# Altium PCB PokeyMain.PcbDoc (part 1 of 3)
Units mm, origin at the board's own origin, x right, y up, seen from the top; angles counter-clockwise.
Board outline 172.97 x 119.13 mm, 2 copper layers (Top Layer, Bottom Layer); 249 components, 225 nets, 876 pads, 516 vias.
Unrouted connection lines stored in the file: 64.
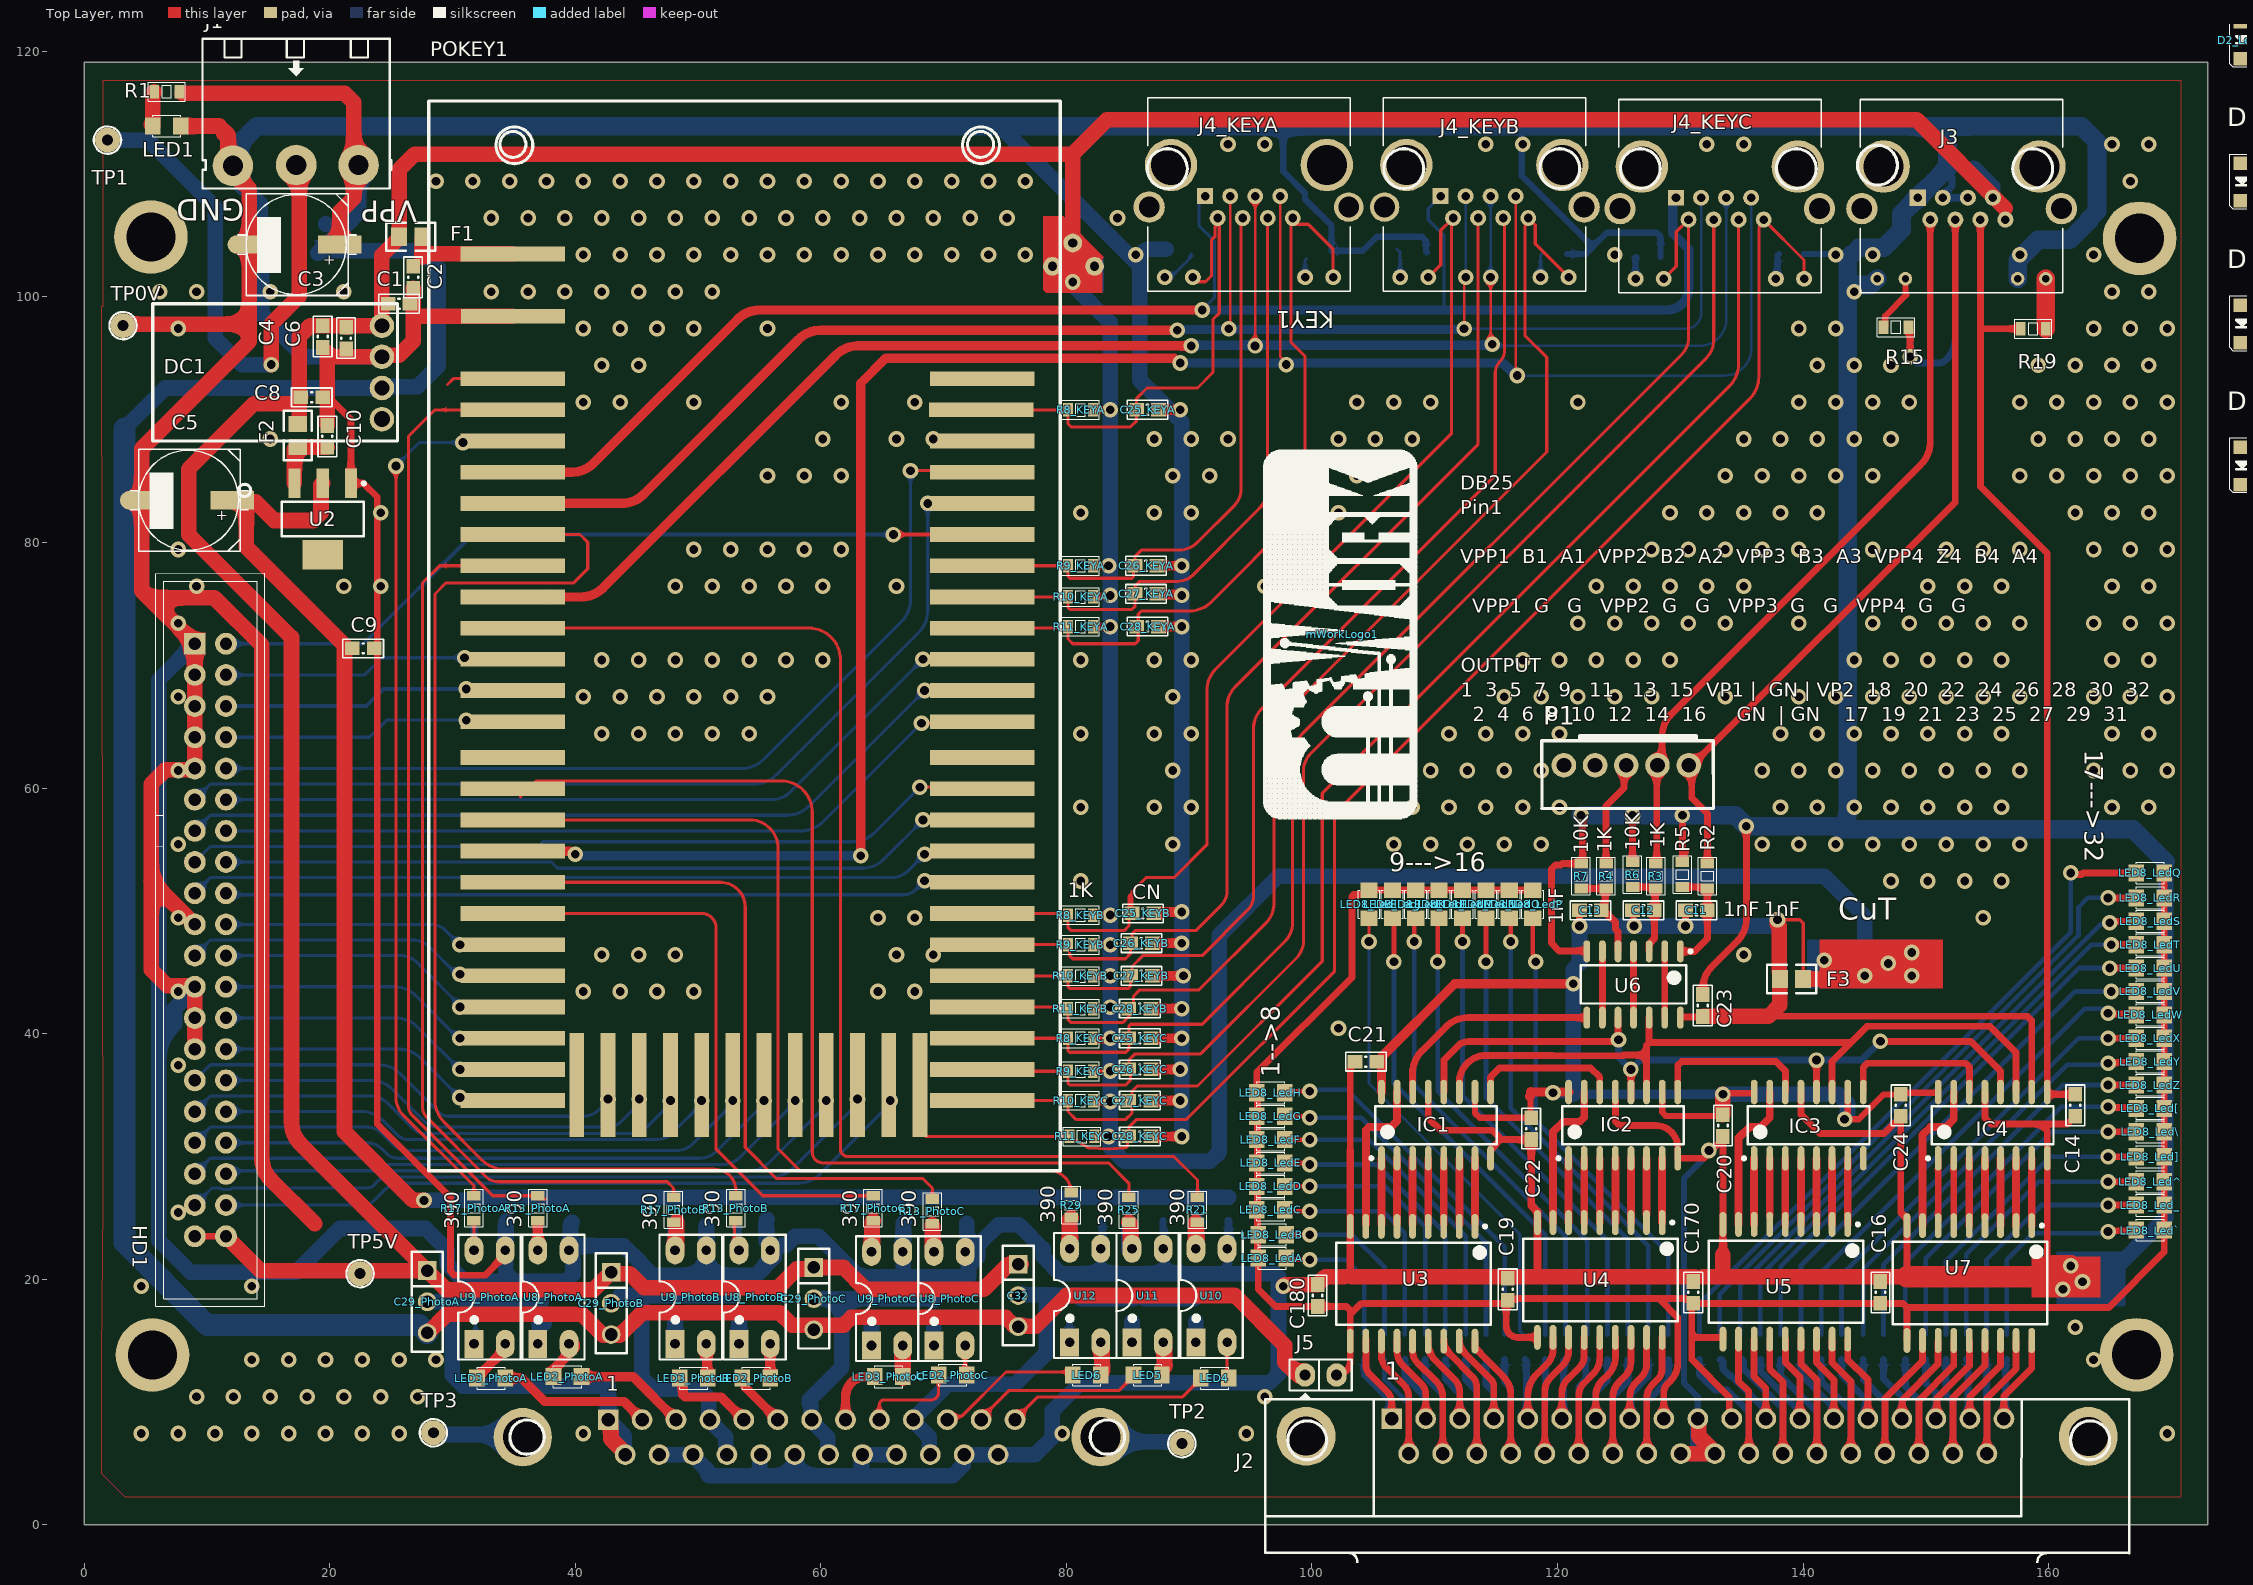
[diagram p0: Top Layer view]
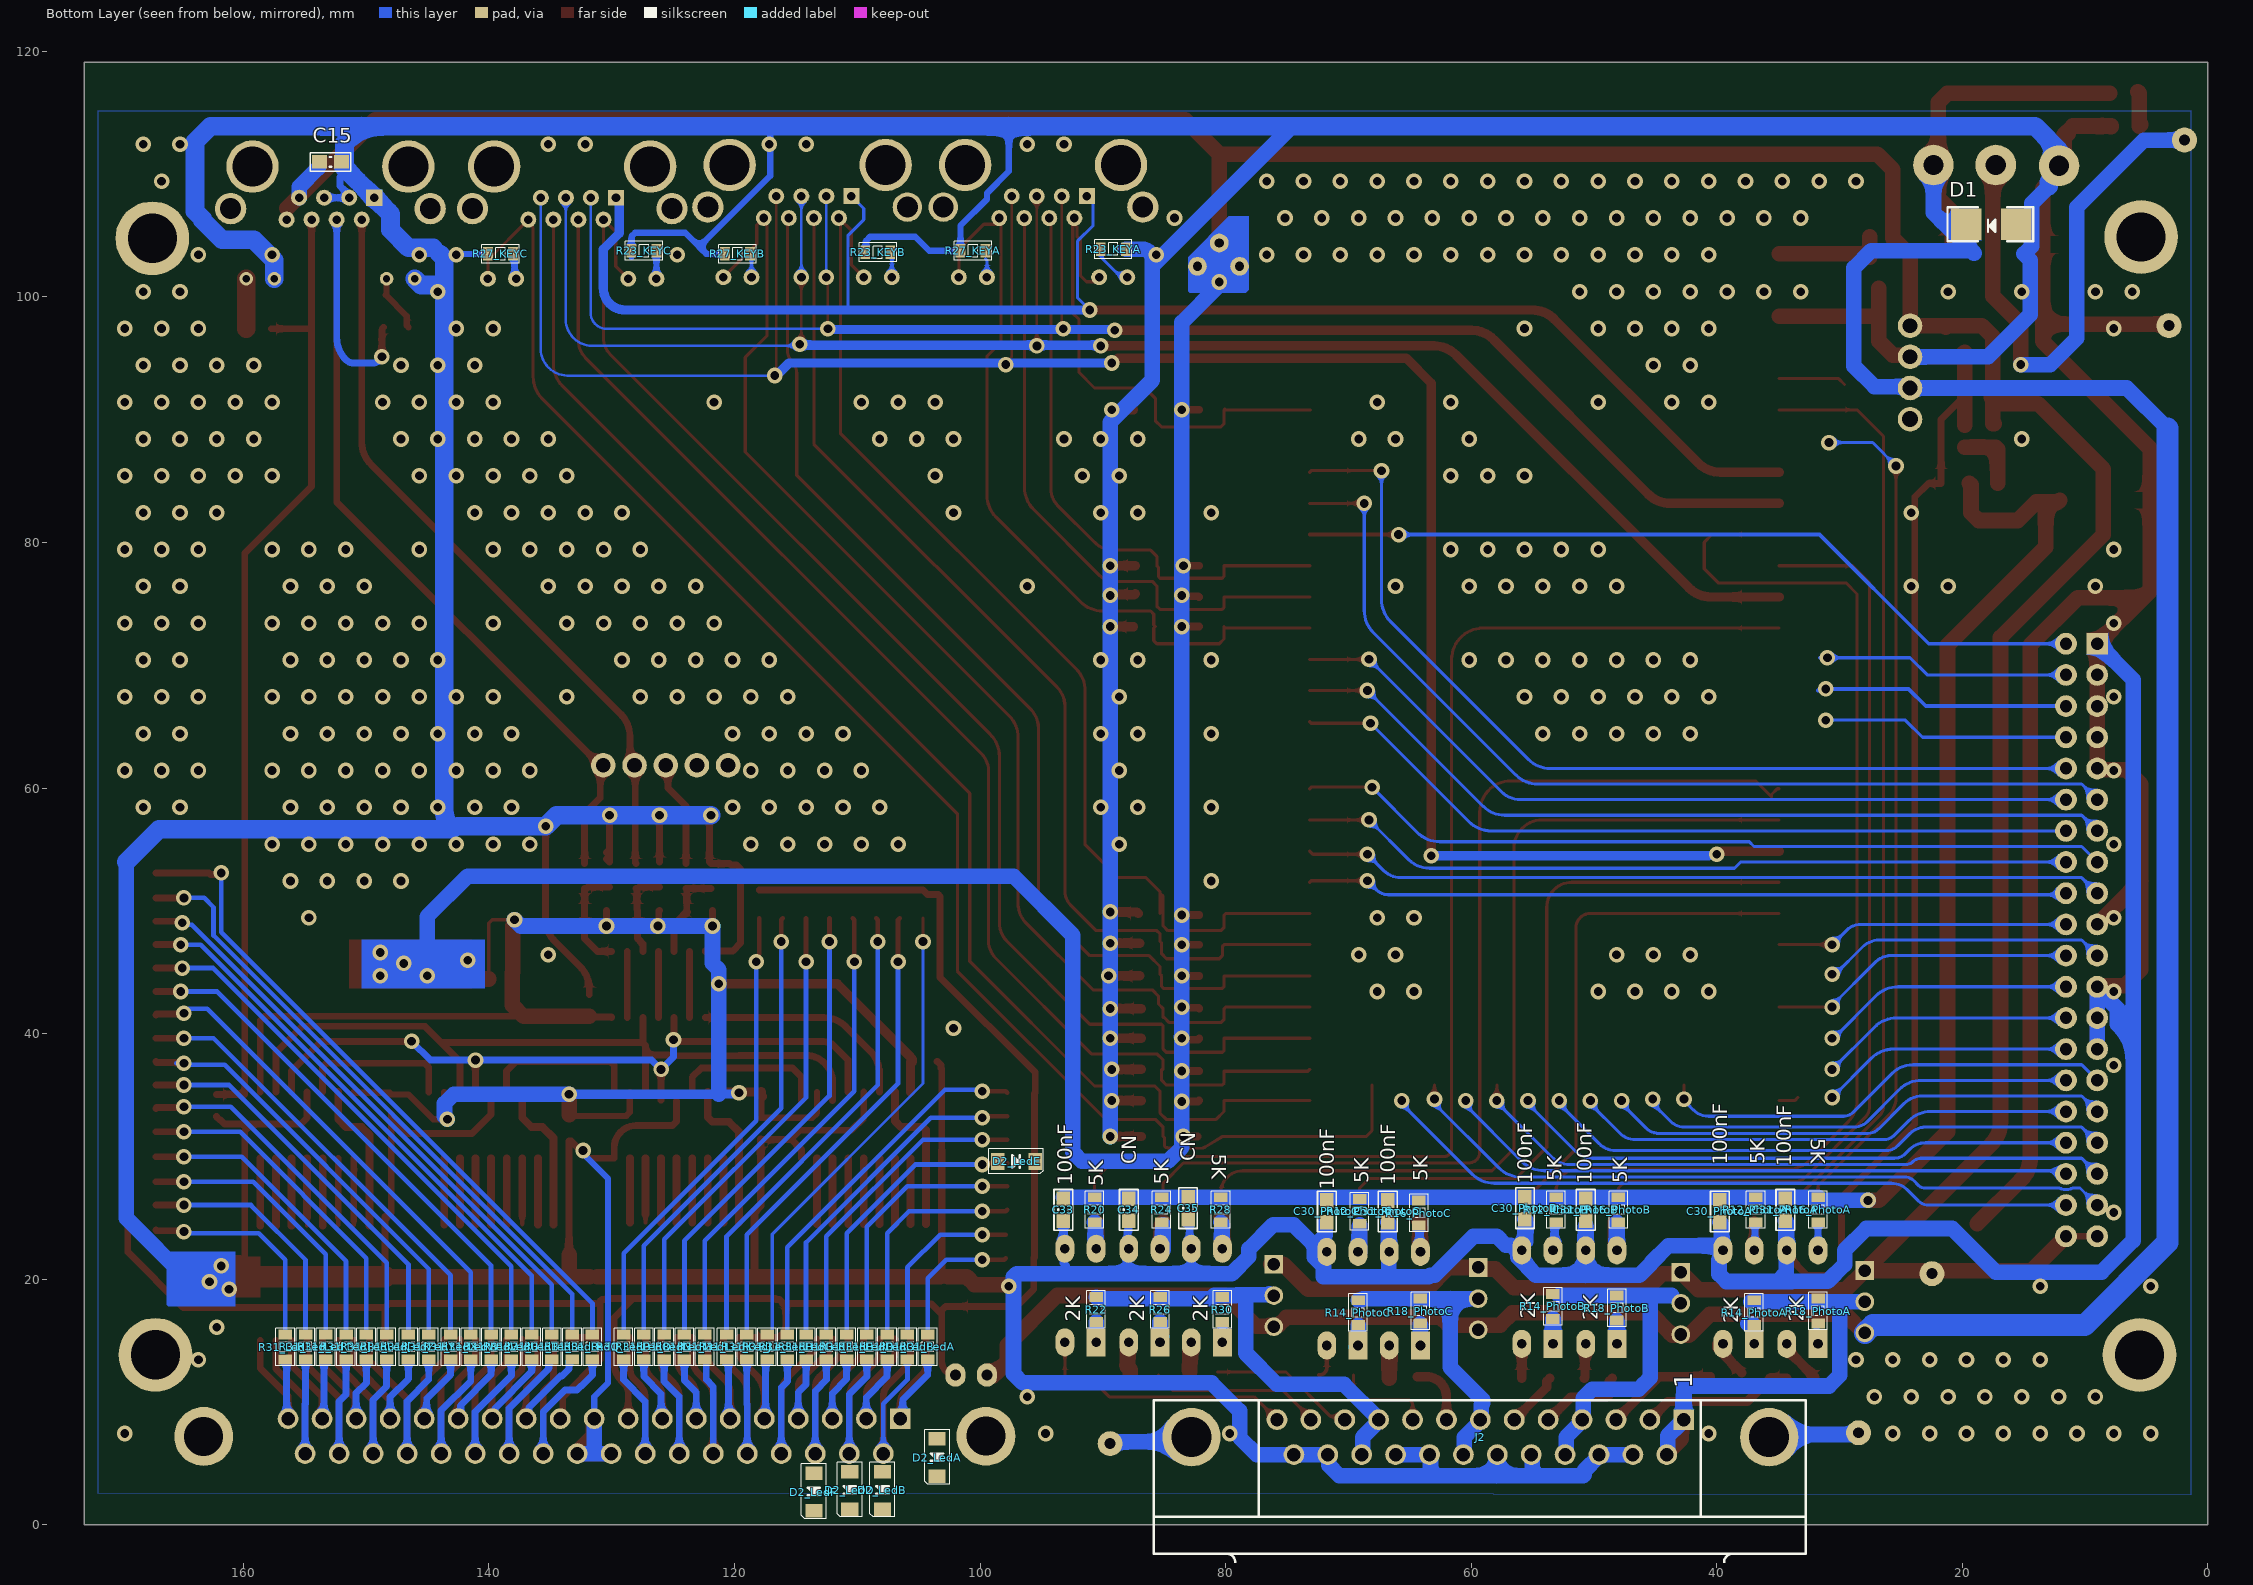
[diagram p1: Bottom Layer view, seen from below]

## Layer stack, top to bottom
Top Solder: solder mask 0.0102, Solder Resist, Dk 3.5
Top Layer: signal copper 0.0356
Dielectric 1: dielectric 0.32, FR-4, Dk 4.8
Bottom Layer: signal copper 0.0356
Bottom Solder: solder mask 0.0102, Solder Resist, Dk 3.5

## Board outline
0,0 172.974,0 172.974,119.126 0,119.126

## Design rules (kind name [scope] priority, off if disabled: settings)
Clearance PolygonBoit [InNamedPolygon('NONET_L02_P001') + InNamedPolygon('NONET_L01_P000')] p1: gap=0.762 ignorepadtopadclearanceinfootprint=FALSE
Clearance [All] p2: gap=0.254 ignorepadtopadclearanceinfootprint=FALSE except(0: Arc-Hole Track-Hole SMDPad-Hole THPad-Hole Via-Hole Fill-Hole Poly-Hole Region-Hole Text-Hole)
PolygonConnect [All vs IsNamedPolygon('NONET_L01_P000')    + IsNamedPolygon('NONET_L02_P001')] p1: thpad.connectstyle=Relief thpad.reliefconductorwidth=0.508 thpad.reliefentries=4 thpad.polygonreliefangle="90 Angle" thpad.airgapwidth=0.508 smdpad.connectstyle=Relief smdpad.reliefconductorwidth=0.508 smdpad.reliefentries=4 smdpad.polygonreliefangle="90 Angle" smdpad.airgapwidth=0.508 via.connectstyle=Direct via.reliefconductorwidth=0.254 via.reliefentries=4 via.polygonreliefangle="90 Angle" via.airgapwidth=0.254
PolygonConnect PolygonConnect_1 [All vs InNamedPolygon('NONET_L02_P001') + InNamedPolygon('NONET_L01_P000')] p2: thpad.connectstyle=Relief thpad.reliefconductorwidth=0.635 thpad.reliefentries=4 thpad.polygonreliefangle="90 Angle" thpad.airgapwidth=0.508 smdpad.connectstyle=Relief smdpad.reliefconductorwidth=0.635 smdpad.reliefentries=4 smdpad.polygonreliefangle="90 Angle" smdpad.airgapwidth=0.762 via.connectstyle=Direct via.reliefconductorwidth=0.254 via.reliefentries=4 via.polygonreliefangle="90 Angle" via.airgapwidth=0.254
RoomDefinition PhotoC [InComponentClass('PhotoC')] p1: confinementstyle=ConfineIn formatcopy=TRUE lockcomponents=FALSE outline -5.207,-83.058 45.593,-83.058 45.593,-57.658 -5.207,-57.658
RoomDefinition PhotoB [InComponentClass('PhotoB')] p2: confinementstyle=ConfineIn formatcopy=TRUE lockcomponents=FALSE outline -5.207,-83.058 45.593,-83.058 45.593,-57.658 -5.207,-57.658
RoomDefinition PhotoA [InComponentClass('PhotoA')] p3: confinementstyle=ConfineIn formatcopy=TRUE lockcomponents=FALSE outline -5.207,-83.058 45.593,-83.058 45.593,-57.658 -5.207,-57.658
RoomDefinition LedZ [InComponentClass('LedZ')] p4: confinementstyle=ConfineIn formatcopy=TRUE lockcomponents=FALSE outline -5.207,-83.058 45.593,-83.058 45.593,-57.658 -5.207,-57.658
RoomDefinition LedY [InComponentClass('LedY')] p5: confinementstyle=ConfineIn formatcopy=TRUE lockcomponents=FALSE outline -5.207,-83.058 45.593,-83.058 45.593,-57.658 -5.207,-57.658
RoomDefinition LedX [InComponentClass('LedX')] p6: confinementstyle=ConfineIn formatcopy=TRUE lockcomponents=FALSE outline -5.207,-83.058 45.593,-83.058 45.593,-57.658 -5.207,-57.658
RoomDefinition LedW [InComponentClass('LedW')] p7: confinementstyle=ConfineIn formatcopy=TRUE lockcomponents=FALSE outline -5.207,-83.058 45.593,-83.058 45.593,-57.658 -5.207,-57.658
RoomDefinition LedV [InComponentClass('LedV')] p8: confinementstyle=ConfineIn formatcopy=TRUE lockcomponents=FALSE outline -5.207,-83.058 45.593,-83.058 45.593,-57.658 -5.207,-57.658
RoomDefinition LedU [InComponentClass('LedU')] p9: confinementstyle=ConfineIn formatcopy=TRUE lockcomponents=FALSE outline -5.207,-83.058 45.593,-83.058 45.593,-57.658 -5.207,-57.658
RoomDefinition LedT [InComponentClass('LedT')] p10: confinementstyle=ConfineIn formatcopy=TRUE lockcomponents=FALSE outline -5.207,-83.058 45.593,-83.058 45.593,-57.658 -5.207,-57.658
RoomDefinition LedR [InComponentClass('LedR')] p11: confinementstyle=ConfineIn formatcopy=TRUE lockcomponents=FALSE outline -5.207,-83.058 45.593,-83.058 45.593,-57.658 -5.207,-57.658
RoomDefinition LedQ [InComponentClass('LedQ')] p12: confinementstyle=ConfineIn formatcopy=TRUE lockcomponents=FALSE outline -5.207,-83.058 45.593,-83.058 45.593,-57.658 -5.207,-57.658
RoomDefinition LedP [InComponentClass('LedP')] p13: confinementstyle=ConfineIn formatcopy=TRUE lockcomponents=FALSE outline -5.207,-83.058 45.593,-83.058 45.593,-57.658 -5.207,-57.658
RoomDefinition LedO [InComponentClass('LedO')] p14: confinementstyle=ConfineIn formatcopy=TRUE lockcomponents=FALSE outline -5.207,-83.058 45.593,-83.058 45.593,-57.658 -5.207,-57.658
RoomDefinition LedN [InComponentClass('LedN')] p15: confinementstyle=ConfineIn formatcopy=TRUE lockcomponents=FALSE outline -5.207,-83.058 45.593,-83.058 45.593,-57.658 -5.207,-57.658
RoomDefinition LedM [InComponentClass('LedM')] p16: confinementstyle=ConfineIn formatcopy=TRUE lockcomponents=FALSE outline -5.207,-83.058 45.593,-83.058 45.593,-57.658 -5.207,-57.658
RoomDefinition LedL [InComponentClass('LedL')] p17: confinementstyle=ConfineIn formatcopy=TRUE lockcomponents=FALSE outline -5.207,-83.058 45.593,-83.058 45.593,-57.658 -5.207,-57.658
RoomDefinition LedK [InComponentClass('LedK')] p18: confinementstyle=ConfineIn formatcopy=TRUE lockcomponents=FALSE outline -5.207,-83.058 45.593,-83.058 45.593,-57.658 -5.207,-57.658
RoomDefinition LedJ [InComponentClass('LedJ')] p19: confinementstyle=ConfineIn formatcopy=TRUE lockcomponents=FALSE outline -5.207,-83.058 45.593,-83.058 45.593,-57.658 -5.207,-57.658
RoomDefinition LedI [InComponentClass('LedI')] p20: confinementstyle=ConfineIn formatcopy=TRUE lockcomponents=FALSE outline -5.207,-83.058 45.593,-83.058 45.593,-57.658 -5.207,-57.658
RoomDefinition LedH [InComponentClass('LedH')] p21: confinementstyle=ConfineIn formatcopy=TRUE lockcomponents=FALSE outline -5.207,-83.058 45.593,-83.058 45.593,-57.658 -5.207,-57.658
RoomDefinition LedG [InComponentClass('LedG')] p22: confinementstyle=ConfineIn formatcopy=TRUE lockcomponents=FALSE outline -5.207,-83.058 45.593,-83.058 45.593,-57.658 -5.207,-57.658
RoomDefinition LedF [InComponentClass('LedF')] p23: confinementstyle=ConfineIn formatcopy=TRUE lockcomponents=FALSE outline -5.207,-83.058 45.593,-83.058 45.593,-57.658 -5.207,-57.658
RoomDefinition LedE [InComponentClass('LedE')] p24: confinementstyle=ConfineIn formatcopy=TRUE lockcomponents=FALSE outline -5.207,-83.058 45.593,-83.058 45.593,-57.658 -5.207,-57.658
RoomDefinition LedD [InComponentClass('LedD')] p25: confinementstyle=ConfineIn formatcopy=TRUE lockcomponents=FALSE outline -5.207,-83.058 45.593,-83.058 45.593,-57.658 -5.207,-57.658
RoomDefinition LedC [InComponentClass('LedC')] p26: confinementstyle=ConfineIn formatcopy=TRUE lockcomponents=FALSE outline -5.207,-83.058 45.593,-83.058 45.593,-57.658 -5.207,-57.658
RoomDefinition LedB [InComponentClass('LedB')] p27: confinementstyle=ConfineIn formatcopy=TRUE lockcomponents=FALSE outline -5.207,-83.058 45.593,-83.058 45.593,-57.658 -5.207,-57.658
RoomDefinition LedA [InComponentClass('LedA')] p28: confinementstyle=ConfineIn formatcopy=TRUE lockcomponents=FALSE outline -5.207,-83.058 45.593,-83.058 45.593,-57.658 -5.207,-57.658
RoomDefinition Led` [InComponentClass('Led`')] p29: confinementstyle=ConfineIn formatcopy=TRUE lockcomponents=FALSE outline -5.207,-83.058 45.593,-83.058 45.593,-57.658 -5.207,-57.658
RoomDefinition Led_ [InComponentClass('Led_')] p30: confinementstyle=ConfineIn formatcopy=TRUE lockcomponents=FALSE outline -5.207,-83.058 45.593,-83.058 45.593,-57.658 -5.207,-57.658
RoomDefinition Led^ [InComponentClass('Led^')] p31: confinementstyle=ConfineIn formatcopy=TRUE lockcomponents=FALSE outline -5.207,-83.058 45.593,-83.058 45.593,-57.658 -5.207,-57.658
RoomDefinition Led] [InComponentClass('Led]')] p32: confinementstyle=ConfineIn formatcopy=TRUE lockcomponents=FALSE outline -5.207,-83.058 45.593,-83.058 45.593,-57.658 -5.207,-57.658
RoomDefinition Led\ [InComponentClass('Led\')] p33: confinementstyle=ConfineIn formatcopy=TRUE lockcomponents=FALSE outline -5.207,-83.058 45.593,-83.058 45.593,-57.658 -5.207,-57.658
RoomDefinition Led[ [InComponentClass('Led[')] p34: confinementstyle=ConfineIn formatcopy=TRUE lockcomponents=FALSE outline -5.207,-83.058 45.593,-83.058 45.593,-57.658 -5.207,-57.658
RoomDefinition KEYC [InComponentClass('KEYC')] p35: confinementstyle=ConfineIn formatcopy=TRUE lockcomponents=FALSE outline -5.207,-83.058 45.593,-83.058 45.593,-57.658 -5.207,-57.658
RoomDefinition KEYB [InComponentClass('KEYB')] p36: confinementstyle=ConfineIn formatcopy=TRUE lockcomponents=FALSE outline -5.207,-83.058 45.593,-83.058 45.593,-57.658 -5.207,-57.658
RoomDefinition KEYA [InComponentClass('KEYA')] p37: confinementstyle=ConfineIn formatcopy=TRUE lockcomponents=FALSE outline -5.207,-83.058 45.593,-83.058 45.593,-57.658 -5.207,-57.658
RoomDefinition LedS [InComponentClass('LedS')] p38: confinementstyle=ConfineIn formatcopy=TRUE lockcomponents=FALSE outline 174.117,196.596 189.738,196.596 189.738,203.454 174.117,203.454
RoomDefinition Photo [InComponentClass('Photo')] p39: confinementstyle=ConfineIn formatcopy=TRUE lockcomponents=FALSE outline 230.251,-42.291 364.49,-42.291 364.49,-29.083 230.251,-29.083
RoomDefinition ENC [InComponentClass('ENC')] p40: confinementstyle=ConfineIn formatcopy=TRUE lockcomponents=FALSE outline 297.053,-1.27 323.596,-1.27 323.596,55.118 297.053,55.118
RoomDefinition ProExtBus [InComponentClass('ProExtBus')] p41: confinementstyle=ConfineIn formatcopy=TRUE lockcomponents=FALSE outline 231.521,36.703 407.797,36.703 407.797,110.236 231.521,110.236
RoomDefinition KEY4 [InComponentClass('KEY4')] p42: confinementstyle=ConfineIn formatcopy=TRUE lockcomponents=FALSE outline 143.566,100.203 159.822,100.203 159.822,115.062 143.566,115.062
RoomDefinition Power [InComponentClass('Power')] p43: confinementstyle=ConfineIn formatcopy=TRUE lockcomponents=FALSE outline 304.038,45.085 433.705,45.085 433.705,72.009 304.038,72.009
RoomDefinition Main [InComponentClass('Main')] p44: confinementstyle=ConfineIn formatcopy=TRUE lockcomponents=FALSE outline 317.246,-9.652 396.24,-9.652 396.24,83.312 317.246,83.312
RoutingVias [All] p1: holewidth=0.711 width=1.27 viastyle="Through Hole" minholewidth=0.711 minwidth=1.27 maxholewidth=0.711 maxwidth=1.27
SolderMaskExpansion [All] p1: expansion=0.102 istentingtop=FALSE
Width [All] p1: maxlimit=2.54 minlimit=0.203 preferedwidth=1.27
30 further rules are at their usual default settings.

## Classes and differential pairs
component class LedZ: D2_LedZ LED8_LedZ R31_LedZ
component class LedY: D2_LedY LED8_LedY R31_LedY
component class LedX: D2_LedX LED8_LedX R31_LedX
component class LedW: D2_LedW LED8_LedW R31_LedW
component class LedV: D2_LedV LED8_LedV R31_LedV
component class LedU: D2_LedU LED8_LedU R31_LedU
component class LedT: D2_LedT LED8_LedT R31_LedT
component class LedS: D2_LedS LED8_LedS R31_LedS
component class LedR: D2_LedR LED8_LedR R31_LedR
component class LedQ: D2_LedQ LED8_LedQ R31_LedQ
component class LedP: D2_LedP LED8_LedP R31_LedP
component class LedO: D2_LedO LED8_LedO R31_LedO
component class LedN: D2_LedN LED8_LedN R31_LedN
component class LedM: D2_LedM LED8_LedM R31_LedM
component class LedL: D2_LedL LED8_LedL R31_LedL
component class LedK: D2_LedK LED8_LedK R31_LedK
component class LedJ: D2_LedJ LED8_LedJ R31_LedJ
component class LedI: D2_LedI LED8_LedI R31_LedI
component class LedH: D2_LedH LED8_LedH R31_LedH
component class LedG: D2_LedG LED8_LedG R31_LedG
component class LedF: D2_LedF LED8_LedF R31_LedF
component class LedE: D2_LedE LED8_LedE R31_LedE
component class LedD: D2_LedD LED8_LedD R31_LedD
component class LedC: D2_LedC LED8_LedC R31_LedC
component class LedB: D2_LedB LED8_LedB R31_LedB
component class LedA: D2_LedA LED8_LedA R31_LedA
component class Led`: D2_Led` LED8_Led` R31_Led`
component class Led_: D2_Led_ LED8_Led_ R31_Led_
component class Led^: D2_Led^ LED8_Led^ R31_Led^
component class Led]: D2_Led] LED8_Led] R31_Led]
component class Led\: D2_Led\ LED8_Led\ R31_Led\
component class Led[: D2_Led[ LED8_Led[ R31_Led[
channel class Led: Led1 Led2 Led3 Led4 Led5 Led6 Led7 Led8 Led9 Led10 Led11 Led12 Led13 Led14 Led15 Led16 Led17 Led18 Led19 Led20 Led21 Led22 Led23 Led24 Led25 Led26 Led27 Led28 Led29 Led30 Led31 Led32
channel class Photo: PhotoA PhotoB PhotoC
component class Photo: C32 C33 C34 C35 LED4 LED5 LED6 R20 R21 R22 R24 R25 R26 R28 R29 R30 U10 U11 U12
component class PhotoC: C29_PhotoC C30_PhotoC C31_PhotoC LED2_PhotoC LED3_PhotoC R12_PhotoC R13_PhotoC R14_PhotoC R16_PhotoC R17_PhotoC R18_PhotoC U8_PhotoC U9_PhotoC
component class PhotoB: C29_PhotoB C30_PhotoB C31_PhotoB LED2_PhotoB LED3_PhotoB R12_PhotoB R13_PhotoB R14_PhotoB R16_PhotoB R17_PhotoB R18_PhotoB U8_PhotoB U9_PhotoB
component class PhotoA: C29_PhotoA C30_PhotoA C31_PhotoA LED2_PhotoA LED3_PhotoA R12_PhotoA R13_PhotoA R14_PhotoA R16_PhotoA R17_PhotoA R18_PhotoA U8_PhotoA U9_PhotoA
component class ENC: J2 TP2 TP3
component class ProExtBus: C11 C12 C13 C14 C15 C16 C19 C20 C21 C22 C23 C24 C170 C180 F3 IC1 IC2 IC3 IC4 J2 J5 R2 R3 R4 R5 R6 R7 U3 U4 U5 U6 U7
component class KEY4: J3 R15 R19
component class KEYC: C25_KEYC C26_KEYC C27_KEYC C28_KEYC J4_KEYC R8_KEYC R9_KEYC R10_KEYC R11_KEYC R23_KEYC R27_KEYC
component class KEYB: C25_KEYB C26_KEYB C27_KEYB C28_KEYB J4_KEYB R8_KEYB R9_KEYB R10_KEYB R11_KEYB R23_KEYB R27_KEYB
component class KEYA: C25_KEYA C26_KEYA C27_KEYA C28_KEYA J4_KEYA R8_KEYA R9_KEYA R10_KEYA R11_KEYA R23_KEYA R27_KEYA
channel class KEY: KEY4 KEYA KEYB KEYC
component class Power: C3 C4 C5 C6 C8 C9 C10 D1 DC1 F2 J1 LED1 R1 TP1 U2
component class Main: C1 C2 F1 HD1 mWorkLogo1 P1 POKEY1 TP0V TP5V
